# KiCad board SmartSpin2k_Panelized.kicad_pcb (continued)
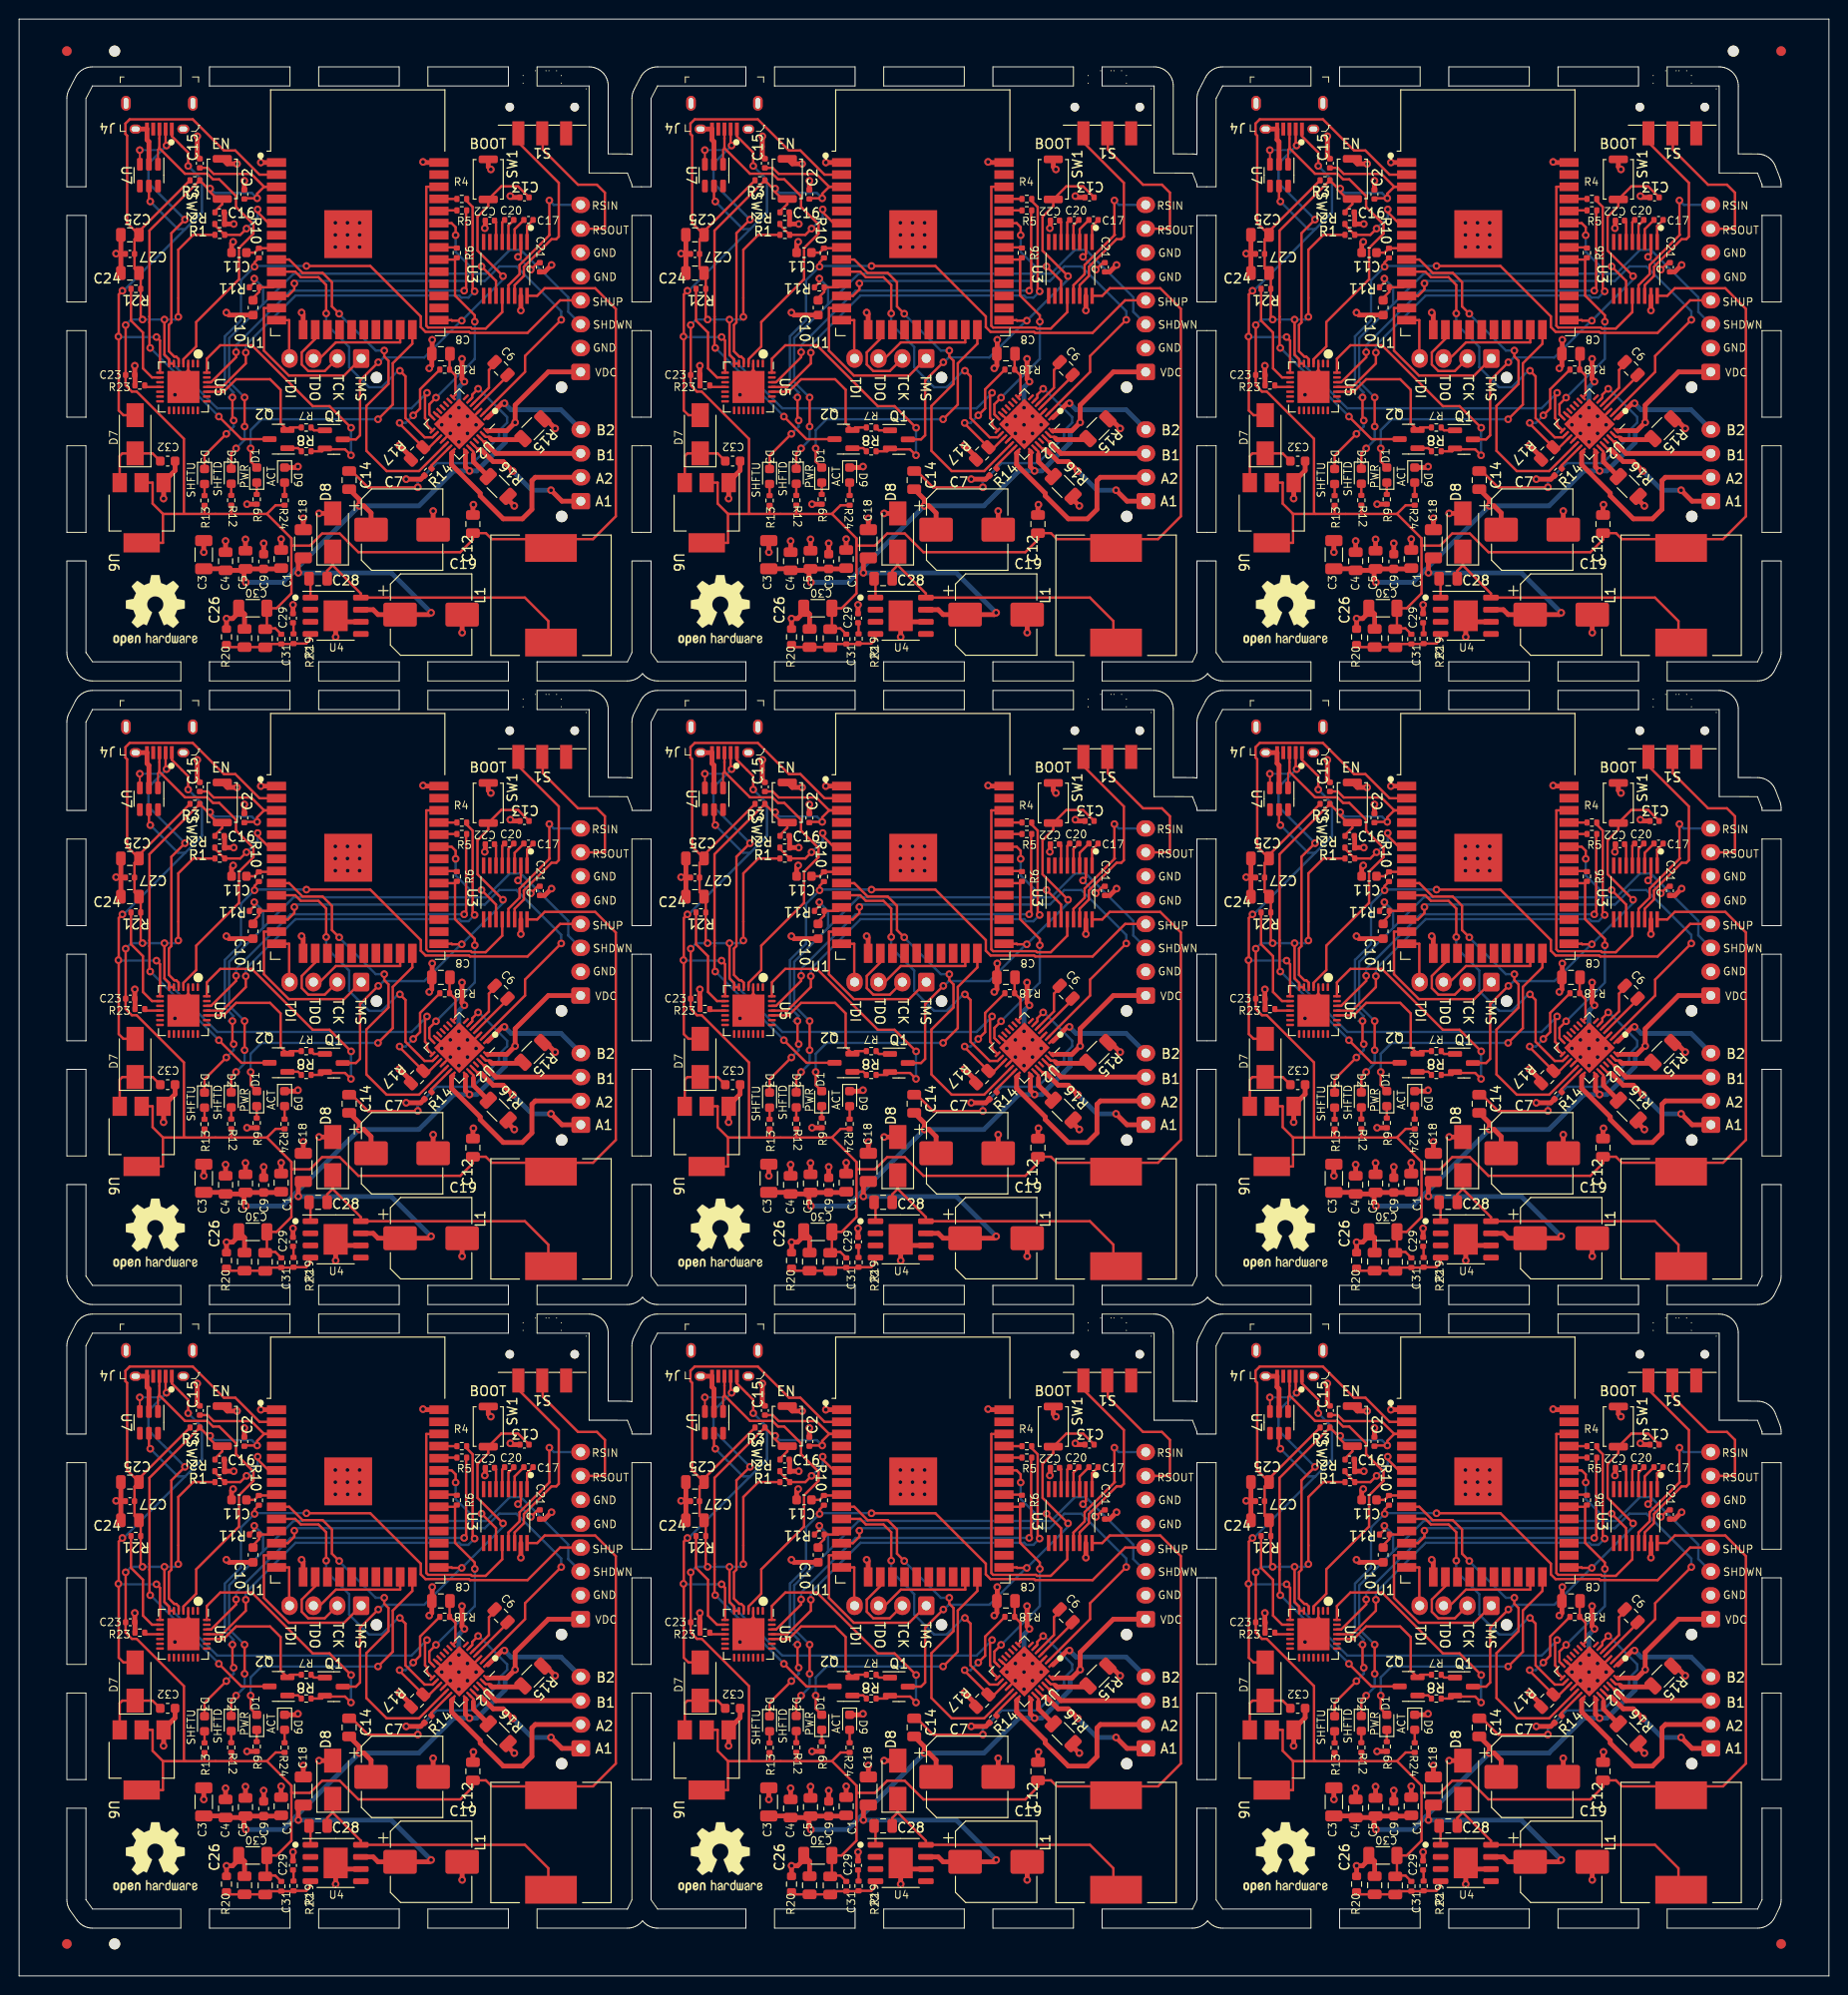
[diagram p0: board, top side]
## Routing (per net, layer and track width the routed paths; a pad name or vN(x,y) marks a point on that pad's centre or on a via; arc(x,y) is an arc through that point) (continued)
  Bottom w0.5: v1(109.96,164.68) 110.64,163.99 115.88,163.99 117.95,161.92
Board_1-/BRA: length 3.9
  Top w0.25: U2#8.23 106.7,159.6 106.7,159.32
  Top w0.5: 106.7,159.32 106.7,158.55 R16#8.2
Board_1-/BRB: length 4.5
  Top w0.25: U2#8.27 107.99,161.15 108.35,161.15 108.48,161.02
  Top w0.5: 108.48,161.02 108.64,160.86 111.78,160.86 R15.2
Board_1-/D+: length 35.2
  Top w0.2: 73.84,191.38 73.69,191.24 U7#3.1
  Top w0.25: J4#2.3 73.84,191.38 76.51,188.71 78.86,188.71 79.44,188.13 80.1,188.13 81.86,186.37 81.86,185.23 83.68,183.41 83.68,182.44 82.17,180.93 82.17,177.65 77.69,173.18 77.69,170.62 76.35,169.28 U5#7.4
Board_1-/D-: length 32.7
  Top w0.2: U7#3.3 71.79,191.17 v1(71.78,191.18)
  Top w0.25: v1(76.51,183.91) 75.09,182.48 75.09,173.14 74.83,172.88 74.83,170.12 75.39,169.55 75.6,169.55 75.85,169.3 U5#7.5 ; v1(74.58,191.66) 74.49,191.76 J4#2.2
  Bottom w0.2: v1(71.78,191.18) 74.1,191.18 v1(74.58,191.66)
  Bottom w0.25: v1(76.51,183.91) 72.69,187.73 72.69,189.77 v1(74.58,191.66)
Board_1-/DriverDIR: length 38.8
  Top w0.25: U2#8.19 101.02,157.57 97.62,157.57 95.5,159.7 95.5,164.4 97.81,166.71 97.81,169.12 97.37,169.56 v1(97.37,170.19) ; v1(92.66,174.05) 91.9,174.81 91.9,177.35 90.92,178.32 88.82,178.32 87.42,179.72 U1#8.9
  Bottom w0.25: v1(97.37,170.19) 96.48,170.19 92.66,174.02 v1(92.66,174.05)
Board_1-/DriverEN: length 47.6
  Top w0.25: U1#8.12 87.28,175.91 87.96,176.59 v1(87.96,177.22) ; v1(115.9,173.41) 112.11,169.63 112.11,167.96 U2#8.2
  Bottom w0.25: v1(87.96,177.22) 88.21,177.48 107.9,177.48 109.42,179 111.2,179 115.9,174.3 v1(115.9,173.41)
Board_1-/DriverSTEP: length 31.7
  Top w0.25: U1#8.10 88.06,178.45 88.64,177.87 90.48,177.87 91.29,177.06 v1(91.29,174.08) ; U2#8.16 102.43,161.1 101.61,161.1 99.6,163.11 99.6,167.49 v1(99.01,168.08)
  Bottom w0.25: v1(91.29,174.08) 91.29,172.97 93.7,170.57 93.7,168.43 95.78,166.35 97.1,166.35 98.83,168.08 v1(99.01,168.08)
Board_1-/DTR: length 28.2
  Top w0.25: v1(93.9,162.11) 91.64,164.37 89.89,164.37 83.51,170.75 80.21,170.75 78.8,169.34 U5#7.28 ; v1(93.89,159.23) 93.27,159.85 91.25,159.85 Q1#7.2 90.87,159.65 R8#4.1
  Bottom w0.25: v1(93.9,162.11) 93.89,162.1 v1(93.89,159.23)
Board_1-/EN: length 59.6
  Top w0.25: v1(80.06,163.28) 82.42,160.92 85.3,160.92 ; v1(72.87,170.47) 72.8,170.54 72.8,173.14 72.8,173.14 72.8,173.74 72.8,173.74 72.8,182.76 R3#5.2 78.93,187.15 v1(79.15,187.15) 79.15,186.8 79.88,186.07 SW2#5.2 80.42,185.53 79.66,184.77 C16#3.1 ; C2#3.1 82.73,186.06 82.81,186.14 v1(84.07,186.14) 84.07,186.62 84.8,187.34 U1#8.3 84.8,187.34 83.45,188.69 79.51,188.69 78.89,189.32 C15#7.1
  Bottom w0.25: v1(72.87,170.47) 72.9,170.47 80.06,163.3 v1(80.06,163.28) ; v1(84.07,186.14) 83.51,186.7 79.6,186.7 v1(79.15,187.15)
Board_1-/IO0_BOOT: length 44.7
  Top w0.25: v1(96.75,168.97) 94.84,167.06 94.84,161.32 94.41,160.89 Q1#7.3 ; C13#6.1 112.53,186.24 111.38,187.38 109.62,187.38 SW1#3.1 108.26,185.33 107.14,184.21 107.14,180.65 v1(109.8,177.99) ; v1(105.48,173.32) 104.47,173.32 104.42,173.37 U1#8.25
  Bottom w0.25: v1(109.8,177.99) 109.8,177.64 v1(105.48,173.32) 105.42,173.32 101.57,169.47 97.31,169.47 96.81,168.97 v1(96.75,168.97)
Board_1-/R1OUT: length 26.4
  Top w0.25: U3#6.12 109.72,174.22 107.99,172.49 106.55,172.49 106.44,172.6 101.96,172.6 101.77,172.79 101.77,187.34 U1#8.36
Board_1-/REG_5V: length 7.5
  Top w0.25: U6#2.3 69.68,159.15 69.96,159.42 D7#8.1 73.12,159.42 C32#2.2
Board_1-/RS232IN1: length 15.3
  Top w0.25: U3#6.13 110.37,177.03 111.54,178.2 111.54,179.15 114.7,182.31 114.65,182.35 v1(114.65,185.91)
  Bottom w0.25: J3.8 115.11,185.45 v1(114.65,185.91)
Board_1-/RS232OUT1: length 16.4
  Top w0.25: 113.83,192.82 113.97,192.68 113.97,191.25 117.65,187.56 119.63,187.56 120.47,186.72 120.47,182.91 120.43,182.95 J3.7
Board_1-/RTS: length 14.8
  Top w0.25: R7#2.2 87.51,162.14 Q2#6.2 86.52,162.58 86.52,166.08 85.42,167.19 81.86,167.19 80.55,165.88 U5#7.24
Board_1-/RXD0: length 40.2
  Top w0.25: R5#4.2 105.94,184.81 105.94,176.67 v1(105.74,176.46) ; v1(81.86,170.02) 81.86,169.49 79.25,166.88 U5#7.26
  Bottom w0.25: v1(81.86,170.02) 81.86,170.75 87.58,176.46 v1(105.74,176.46)
Board_1-/ShiftDown: length 63.9
  Top w0.25: v1(81.86,159.95) 81.36,159.44 D2#9.1 ; R11#2.2 83.77,177.33 v1(83.77,177.73) ; v1(82.75,165.28) v1(82.75,162.24)
  Bottom w0.25: 84.68,175.04 81.14,171.49 81.14,166.9 v1(82.75,165.28) ; 84.68,175.04 87.88,178.24 108.02,178.24 110.52,180.73 111.67,180.73 116.63,175.77 116.63,174.25 J3.3 ; 84.68,175.04 84.68,176.82 v1(83.77,177.73) ; v1(81.86,159.95) 82.75,160.84 v1(82.75,162.24)
Board_1-/ShiftUp: length 65
  Top w0.25: v1(80.84,161.47) 78.56,159.19 D3#9.1 ; v1(89.23,179.05) 89.23,179.05 95.91,179.05 101.2,173.76 101.2,172.65 101.7,172.15 106.26,172.15 106.36,172.04 112.37,172.04 115.78,175.45 J3.4 ; R10#8.2 83.79,179.43 v1(83.79,178.98) ; v1(81.48,165.28) 81.48,163 v1(81.61,162.87)
  Bottom w0.25: v1(81.61,162.87) 81.61,162.24 v1(80.84,161.47) ; v1(89.23,179.05) 89.22,179.05 83.87,179.05 v1(83.79,178.98) 82.37,177.55 82.37,173.36 80.69,171.68 80.69,166.71 81.6,165.8 81.09,165.28 v1(81.48,165.28)
Board_1-/T1IN: length 11.6
  Top w0.25: U1#8.33 104.42,183.53 104.85,183.11 v1(104.85,182.27) ; U3#6.11 109.07,177.48 v1(107.56,179)
  Bottom w0.25: v1(107.56,179) 106.37,179 104.85,180.53 v1(104.85,182.27)
Board_1-/TMCUART1: length 21.5
  Top w0.25: v1(102.79,165.26) 102.09,164.57 102.09,163.51 U2#8.14 ; 104.78,179.72 R6.1 ; 104.78,179.72 U1#8.30 ; 104.78,179.72 104.78,175.95 106.85,173.88 v1(106.85,173.22)
  Bottom w0.25: v1(106.85,173.22) 106.85,169.32 v1(102.79,165.26)
Board_1-/TMCUART2: length 1.9
  Top w0.25: U1#8.31 104.91,180.99 R6.2
Board_1-/TXD0: length 43.5
  Top w0.25: v1(106.83,176.39) 106.63,176.6 106.63,185.22 106,185.85 R4#2.2 ; v1(82.88,169.98) 82.88,168.84 80.42,166.38 U5#7.25
  Bottom w0.25: v1(106.83,176.39) 106.18,175.74 105.44,175.74 105.22,175.95 88.09,175.95 82.88,170.75 v1(82.88,169.98)
Board_1-/VDC: length 92.1
  Top w0.25: U2#8.28 108.17,161.81 108.18,161.81 ; 105.87,159.62 105.87,159.64 U2#8.22
  Top w0.5: C7#7.1 95.99,153.19 95.25,153.93 v1(94.76,153.93) 94.76,154.61 C14#9.1 ; 82.69,147.18 C5.1 82.85,147.33 C9#6.1 86.5,147.33 C1.1 ; 82.69,147.18 82.69,146.11 v1(82.88,145.92) ; 82.69,147.18 C4#5.1 80.6,147.34 78.48,147.34 ; U4.7 96.22,143.06 96.73,142.55 C19#9.1 102.08,142.55 v1(102.28,142.74) ; 88.9,148.49 88.38,147.96 v1(88.38,146.92) ; J3.1 114.55,167.95 111.07,164.48 v1(111.07,162.67) 110.21,161.81 108.18,161.81 ; v1(106.3,157.59) 105.87,158.02 105.87,159.62
  Bottom w0.5: v1(82.88,145.92) 86.75,145.92 88.06,147.23 ; 88.06,147.23 v1(94.76,153.93) 101,153.93 104.65,157.59 v1(106.3,157.59) 107.06,157.59 110.03,160.56 110.03,161.63 v1(111.07,162.67) ; 88.06,147.23 88.37,146.92 v1(88.38,146.92) 88.39,146.91 98.11,146.91 v1(102.28,142.74)
Board_1-GND: length 91.3
  Top w0.25: 103.39,162.98 102.85,163.53 U2#8.13 ; 76.85,167.98 U5#7.3 ; 104.08,161.34 U2#8.18 ; 106.73,163.29 U2#8.3
  Top w0.5: C13#6.2 110.7,186.23 v1(110.56,186.37) ; v1(86.58,150.45) C1.2 ; v1(102.49,153.39) C7#7.2 ; U7#3.2 72.74,192.06 72.54,192.27 J4#2.5 J4#2.SH ; v1(115.26,162.03) 114.26,163.04 R15.1 ; v1(88.34,158.05) 88.24,157.94 D9#4.1 ; v1(101.43,189.95) 101.58,189.95 101.65,189.88 U1#8.38 ; R16#8.1 110.33,154.59 v1(110.99,153.93) ; v1(74.27,154.69) 74.28,154.7 U6#2.1 74.28,156.43 75.47,157.63 C32#2.1 ; 76.85,167.98 76.85,166.95 v1(75.46,165.56) 75.54,165.56 U5#7.29 ; v1(114.88,179.15) 114.16,178.43 C21#7.2 ; v1(106.7,154.06) 106.65,154.01 C12#4.2 ; SW2#5.1 80.94,189.75 v1(81.96,189.75) ; C10.2 81.11,173.91 v1(80.85,174.18) ; C11#2.2 81.39,181.42 v1(81.56,181.58) ; R23#5.1 71.28,167.61 C23#9.2 v1(71.26,168.6) ; C3#4.2 78.48,149.08 v1(78.48,149.08) ; R17#4.2 100.17,159.05 v1(98.96,160.26) ; v1(102.39,171.32) 102.39,169.9 C8#8.2 102.35,168.6 v1(102.08,168.33) ; 69.8,180.31 69.8,180.35 ; 69.8,180.31 C24#8.1 ; 69.8,180.31 C27#7.2 ; 69.8,180.35 C25#4.2 ; 69.8,180.35 v1(69.3,180.35) ; U4.9 92.29,141.79 ; 92.29,141.79 v1(92.29,140.21) ; 92.29,141.79 U4.6 ; v1(84.75,150.01) 84.75,148.88 ; v1(80.76,150.25) C4#5.2 ; D8#3.2 90.55,153.14 v1(90.55,153.14) ; R20#6.2 v1(80.86,142.13) 81.49,142.13 82.14,142.77 C30#5.2 82.75,142.59 C26#9.2 ; 106.73,163.29 106.11,163.29 v1(106.09,163.31) ; v1(81.62,183.45) R2#6.1 80.66,184.62 C16#3.2 ; v1(84.45,189.88) U1#8.1 ; v1(111.67,174.39) U3#6.15 ; C18.2 v1(88.9,152.62) ; R9.1 83.01,154.11 v1(83.01,154.11) ; SW1#3.2 108.26,189.43 v1(108.53,189.16) ; v1(105.53,140.65) C19#9.2 ; C22#3.2 107.95,183.05 v1(107.9,183) ; v1(103.39,162.42) 103.39,162.98 ; v1(105.19,162.42) 105.23,162.46 U2#8.29 ; v1(99.67,156.73) 101.19,156.73 R14#7.1 ; C15#7.2 77.8,190.55 v1(77.8,192.63) ; C29#2.2 v1(87.82,143.57) ; U1#8.15 88.88,174.01 v1(88.72,174.18) ; v1(93.52,182.3) 93.6,182.38 U1#8.39 ; v1(105.76,166.94) 105.51,167.19 v1(105.51,169.32) ; v1(82.85,150.42) C5.2 ; 104.08,161.34 104.26,161.52 v1(104.29,161.52) ; v1(82.73,187.97) C2#3.2
  Bottom w0.5: v1(105.19,164.21) 105.19,166.36 v1(105.76,166.94)
  vias: v1(92.25,183.57) v1(92.25,182.3) v1(92.25,181.03) v1(93.52,183.57) v1(93.55,181.03) v1(94.79,183.57) v1(94.79,182.3) v1(94.79,181.03) v1(104.29,163.31) v1(105.19,160.62) v1(106.09,161.52) v1(106.98,162.42)
Board_1-Net-(C6-Pad1): length 5.4
  Top w0.25: C6#6.1 108.93,168.75 108.33,168.16 108.33,166.3 106.62,164.59 U2#8.5
Board_1-Net-(C6-Pad2): length 4.8
  Top w0.25: C6#6.2 110.27,167.53 U2#8.4
Board_1-Net-(C10-Pad1): length 3.6
  Top w0.25: C10.1 83.64,175.7 84.28,176.34 R11#2.1 85.73,176.82 U1#8.11
Board_1-Net-(C11-Pad1): length 3.4
  Top w0.25: C11#2.1 83.79,180.45 R10#8.1 86.01,180.91 U1#8.8
Board_1-Net-(C14-Pad2): length 27.3
  Top w0.25: v1(100.89,155.88) 100.87,155.86 95.68,155.86 93.97,157.57 C14#9.2 ; U2#8.6 106.59,165.26 106.59,165.58 v1(107.2,166.19)
  Bottom w0.25: v1(100.89,155.88) 100.87,155.89 100.87,156.42 102.85,158.4 106.63,158.4 109.38,161.15 109.38,161.79 110.23,162.64 110.23,163.23 107.27,166.19 v1(107.2,166.19)
Board_1-Net-(C17-Pad1): length 2.7
  Top w0.25: C17#4.1 111.02,182.9 U3#6.3
Board_1-Net-(C17-Pad2): length 2.6
  Top w0.25: C17#4.2 112.95,183.86 112.32,183.23 U3#6.1
Board_1-Net-(C20-Pad1): length 2.4
  Top w0.25: U3#6.5 109.72,183.62 C20#8.1
Board_1-Net-(C20-Pad2): length 2.5
  Top w0.25: U3#6.4 110.37,183.3 110.93,183.86 C20#8.2
Board_1-Net-(C21-Pad1): length 4.8
  Top w0.25: C21#7.1 113.44,179.39 v1(112.71,178.66) ; v1(111.37,180.01) 111.67,180.31 U3#6.2
  Bottom w0.25: v1(112.71,178.66) v1(111.37,180.01)
Board_1-Net-(C22-Pad1): length 2.3
  Top w0.25: C22#3.1 109.07,183.64 U3#6.6
Board_1-Net-(C26-Pad1): length 9.8
  Top w0.25: U4.4 89.65,139.95 89.21,139.51 R19#5.1 87.83,139.47 R22#5.1 85.26,139.47 C31#3.1 84.89,139.14 C26#9.1 81.11,139.14 R20#6.1
Board_1-Net-(C28-Pad1): length 2
  Top w0.25: C28#2.1 89.65,146.16 U4.1
Board_1-Net-(C28-Pad2): length 31.4
  Top w0.25: 91.98,148.35 91.98,147.7 94.92,144.76 U4.8 112.09,144.33 114.55,141.87 114.55,139.45 ; 91.98,148.35 D8#3.1 ; 91.98,148.35 91.98,147.72 91.4,147.14 C28#2.2
Board_1-Net-(C29-Pad1): length 1.2
  Top w0.25: R19#5.2 87.88,141.63 C29#2.1
Board_1-Net-(D1-Pad1): length 1.2
  Top w0.25: D1#2.1 R9.2
Board_1-Net-(D1-Pad2): length 28.8
  Top w0.25: v1(96.72,163) 98.26,164.54 98.26,168.86 100.31,170.91 U1#8.24 ; v1(83.39,159.95) 83.39,158.58 D1#2.2
  Bottom w0.25: v1(83.39,159.95) 83.39,161.86 84.53,163 v1(96.72,163)
Board_1-Net-(D2-Pad2): length 1.2
  Top w0.25: R12#2.1 D2#9.2
Board_1-Net-(D3-Pad2): length 1.2
  Top w0.25: D3#9.2 R13#8.2
Board_1-Net-(D9-Pad2): length 1.4
  Top w0.25: R24.1 D9#4.2
Board_1-Net-(J2-Pad1): length 17.8
  Top w0.25: J2#2.1 93.17,167.58 87.38,167.58 84.77,170.19 84.77,174.64 U1#8.13
Board_1-Net-(J2-Pad2): length 8.8
  Top w0.25: J2#2.2 91.14,168.05 89.42,168.05 88.73,168.73 88.73,170 90.15,171.42 U1#8.16
Board_1-Net-(J2-Pad3): length 11.1
  Top w0.25: U1#8.23 99.04,171.05 92.3,171.05 90.62,169.37 J2#2.3
Board_1-Net-(J2-Pad4): length 5.4
  Top w0.25: U1#8.14 87.42,173.37 87.42,169.37 J2#2.4
Board_1-Net-(Q1-Pad1): length 1.6
  Top w0.25: Q1#7.1 90.01,161.84 R7#2.1
Board_1-Net-(Q2-Pad1): length 1.6
  Top w0.25: Q2#6.1 87.25,159.98 88.36,159.98 R8#4.2
Board_1-Net-(R1-Pad2): length 9.4
  Top w0.25: R2#6.2 79.64,183.34 R1#4.2 82.3,182.31 v1(82.96,182.96) ; U1#8.6 85.27,183.53 84.12,184.68 v1(84.12,184.97)
  Bottom w0.25: v1(82.96,182.96) 84.12,184.13 v1(84.12,184.97)
Board_1-Net-(R4-Pad1): length 1.9
  Top w0.25: R4#2.1 103.1,186.07 U1#8.35
Board_1-Net-(R5-Pad1): length 1.9
  Top w0.25: U1#8.34 103.16,184.87 R5#4.1
Board_1-Net-(R14-Pad2): length 3
  Top w0.25: U2#8.20 102.31,158.16 R14#7.2
Board_1-Net-(R17-Pad1): length 13.4
  Top w0.25: v1(100.41,163.41) 101.13,164.13 101.13,166.14 R18.2 ; v1(98.98,162.62) 98.98,162.54 R17#4.1 102.1,160.06 U2#8.17
  Bottom w0.25: v1(98.98,162.62) 99.61,162.62 v1(100.41,163.41)
Board_1-Net-(R21-Pad2): length 11
  Top w0.25: U5#7.9 73.06,167.38 72.11,168.33 72.11,172.08 70.86,173.33 R21#2.2
Board_1-Net-(R23-Pad2): length 1.7
  Top w0.25: U5#7.11 72.46,166.38 R23#5.2
Board_1-Net-(S1-Pad3): length 20.9
  Top w0.25: U3#6.14 111.02,177.05 111.99,178.01 111.99,178.96 114.88,181.86 115.38,181.86 115.65,182.13 115.65,187.75 111.33,192.07 111.33,192.82
Board_2-/A1: length 13.8
  Top w0.25: 166.41,159.8 166.37,159.8 U2.24
  Top w0.5: J1#6.1 175.13,154.42 v1(173.98,155.57) ; 166.41,159.8 166.69,159.8 167.92,158.57 168.98,158.57 v1(169.98,157.57)
  Bottom w0.5: v1(169.98,157.57) 171.98,155.57 v1(173.98,155.57)
Board_2-/A2: length 21.1
  Top w0.25: 163.7,159.57 U2.21
  Top w0.5: 163.7,159.57 163.57,159.44 163.57,158.25 166.57,155.25 166.57,154.98 168.98,152.57 170.98,152.57 171.98,153.57 171.98,156.57 172.33,156.92 177.1,156.92
Board_2-/B1: length 11.3
  Top w0.25: 167.05,160.61 166.97,160.61 U2.26
  Top w0.5: 177.1,159.42 168.21,159.42 167.07,160.56
Board_2-/B2: length 11.7
  Top w0.25: 167.36,163.17 U2.1
  Top w0.5: v1(169.11,164.68) 168.86,164.68 167.36,163.17
  Bottom w0.5: v1(169.11,164.68) 169.79,163.99 175.03,163.99 177.1,161.92
Board_2-/BRA: length 3.9
  Top w0.25: U2.23 165.85,159.6 165.85,159.32
  Top w0.5: 165.85,159.32 165.85,158.55 R16#5.2
Board_2-/BRB: length 4.5
  Top w0.25: U2.27 167.14,161.15 167.5,161.15 167.63,161.02
  Top w0.5: 167.63,161.02 167.79,160.86 170.93,160.86 R15#9.2
Board_2-/D+: length 35.2
  Top w0.2: 132.99,191.38 132.84,191.24 U7#9.1
  Top w0.25: J4#4.3 132.99,191.38 135.66,188.71 138.01,188.71 138.59,188.13 139.25,188.13 141.01,186.37 141.01,185.23 142.83,183.41 142.83,182.44 141.32,180.93 141.32,177.65 136.84,173.18 136.84,170.62 135.5,169.28 U5#6.4
Board_2-/D-: length 32.7
  Top w0.2: U7#9.3 130.94,191.17 v1(130.93,191.18)
  Top w0.25: v1(135.66,183.91) 134.24,182.48 134.24,173.14 133.98,172.88 133.98,170.12 134.54,169.55 134.75,169.55 135,169.3 U5#6.5 ; v1(133.73,191.66) 133.64,191.76 J4#4.2
  Bottom w0.2: v1(130.93,191.18) 133.25,191.18 v1(133.73,191.66)
  Bottom w0.25: v1(135.66,183.91) 131.84,187.73 131.84,189.77 v1(133.73,191.66)
Board_2-/DriverDIR: length 38.8
  Top w0.25: U2.19 160.17,157.57 156.77,157.57 154.65,159.7 154.65,164.4 156.96,166.71 156.96,169.12 156.52,169.56 v1(156.52,170.19) ; v1(151.81,174.05) 151.05,174.81 151.05,177.35 150.07,178.32 147.97,178.32 146.57,179.72 U1.9
  Bottom w0.25: v1(156.52,170.19) 155.63,170.19 151.81,174.02 v1(151.81,174.05)
Board_2-/DriverEN: length 47.6
  Top w0.25: U1.12 146.44,175.91 147.11,176.59 v1(147.11,177.22) ; v1(175.05,173.41) 171.26,169.63 171.26,167.96 U2.2
  Bottom w0.25: v1(147.11,177.22) 147.36,177.48 167.05,177.48 168.57,179 170.35,179 175.05,174.3 v1(175.05,173.41)
Board_2-/DriverSTEP: length 31.7
  Top w0.25: U1.10 147.21,178.45 147.79,177.87 149.63,177.87 150.44,177.06 v1(150.44,174.08) ; U2.16 161.58,161.1 160.76,161.1 158.75,163.11 158.75,167.49 v1(158.16,168.08)
  Bottom w0.25: v1(150.44,174.08) 150.44,172.97 152.85,170.57 152.85,168.43 154.93,166.35 156.25,166.35 157.98,168.08 v1(158.16,168.08)
Board_2-/DTR: length 28.2
  Top w0.25: v1(153.05,162.11) 150.79,164.37 149.04,164.37 142.66,170.75 139.36,170.75 137.95,169.34 U5#6.28 ; v1(153.04,159.23) 152.42,159.85 150.4,159.85 Q1.2 150.02,159.65 R8#8.1
  Bottom w0.25: v1(153.05,162.11) 153.04,162.1 v1(153.04,159.23)
Board_2-/EN: length 59.6
  Top w0.25: v1(139.21,163.28) 141.57,160.92 144.45,160.92 ; v1(132.02,170.47) 131.95,170.54 131.95,173.14 131.95,173.14 131.95,173.74 131.95,173.74 131.95,182.76 R3#3.2 138.08,187.15 v1(138.3,187.15) 138.3,186.8 139.03,186.07 SW2#4.2 139.57,185.53 138.81,184.77 C16#5.1 ; C2#9.1 141.88,186.06 141.96,186.14 v1(143.22,186.14) 143.22,186.62 143.95,187.34 U1.3 143.95,187.34 142.6,188.69 138.66,188.69 138.04,189.32 C15#8.1
  Bottom w0.25: v1(132.02,170.47) 132.05,170.47 139.21,163.3 v1(139.21,163.28) ; v1(143.22,186.14) 142.66,186.7 138.75,186.7 v1(138.3,187.15)
Board_2-/IO0_BOOT: length 44.7
  Top w0.25: v1(155.9,168.97) 153.99,167.06 153.99,161.32 153.56,160.89 Q1.3 ; C13#3.1 171.68,186.24 170.53,187.38 168.77,187.38 SW1#4.1 167.41,185.33 166.29,184.21 166.29,180.65 v1(168.95,177.99) ; v1(164.63,173.32) 163.62,173.32 163.57,173.37 U1.25
  Bottom w0.25: v1(168.95,177.99) 168.95,177.64 v1(164.63,173.32) 164.57,173.32 160.72,169.47 156.46,169.47 155.96,168.97 v1(155.9,168.97)
Board_2-/R1OUT: length 26.4
  Top w0.25: U3#7.12 168.87,174.22 167.14,172.49 165.7,172.49 165.59,172.6 161.11,172.6 160.92,172.79 160.92,187.34 U1.36
Board_2-/REG_5V: length 7.5
  Top w0.25: U6#6.3 128.83,159.15 129.11,159.42 D7#6.1 132.27,159.42 C32#9.2
Board_2-/RS232IN1: length 15.3
  Top w0.25: U3#7.13 169.52,177.03 170.69,178.2 170.69,179.15 173.85,182.31 173.8,182.35 v1(173.8,185.91)
  Bottom w0.25: J3#8.8 174.26,185.45 v1(173.8,185.91)
Board_2-/RS232OUT1: length 16.4
  Top w0.25: 172.98,192.82 173.12,192.68 173.12,191.25 176.8,187.56 178.78,187.56 179.62,186.72 179.62,182.91 179.58,182.95 J3#8.7
Board_2-/RTS: length 14.8
  Top w0.25: R7#3.2 146.66,162.14 Q2#9.2 145.67,162.58 145.67,166.08 144.57,167.19 141.01,167.19 139.7,165.88 U5#6.24
Board_2-/RXD0: length 40.2
  Top w0.25: R5#9.2 165.09,184.81 165.09,176.67 v1(164.89,176.46) ; v1(141.01,170.02) 141.01,169.49 138.4,166.88 U5#6.26
  Bottom w0.25: v1(141.01,170.02) 141.01,170.75 146.73,176.46 v1(164.89,176.46)
Board_2-/ShiftDown: length 63.9
  Top w0.25: v1(141.01,159.95) 140.5,159.44 D2#6.1 ; R11#6.2 142.92,177.33 v1(142.92,177.73) ; v1(141.9,165.28) v1(141.9,162.24)
  Bottom w0.25: 143.83,175.04 140.29,171.49 140.29,166.9 v1(141.9,165.28) ; 143.83,175.04 147.03,178.24 167.17,178.24 169.67,180.73 170.82,180.73 175.78,175.77 175.78,174.25 J3#8.3 ; 143.83,175.04 143.83,176.82 v1(142.92,177.73) ; v1(141.01,159.95) 141.9,160.84 v1(141.9,162.24)
Board_2-/ShiftUp: length 65
  Top w0.25: v1(139.99,161.47) 137.71,159.19 D3.1 ; J3#8.4 174.93,175.45 171.52,172.04 165.51,172.04 165.41,172.15 160.85,172.15 160.35,172.65 160.35,173.76 155.06,179.05 v1(148.38,179.05) ; R10#7.2 142.94,179.43 v1(142.94,178.98) ; v1(140.63,165.28) 140.63,163 v1(140.76,162.87)
  Bottom w0.25: v1(140.76,162.87) 140.76,162.24 v1(139.99,161.47) ; v1(148.38,179.05) 148.37,179.05 143.02,179.05 v1(142.94,178.98) 141.52,177.55 141.52,173.36 139.84,171.68 139.84,166.71 140.75,165.8 140.24,165.28 v1(140.63,165.28)
Board_2-/T1IN: length 11.6
  Top w0.25: U1.33 163.57,183.53 164,183.11 v1(164,182.27) ; U3#7.11 168.22,177.48 v1(166.71,179)
  Bottom w0.25: v1(166.71,179) 165.52,179 164,180.53 v1(164,182.27)
Board_2-/TMCUART1: length 21.5
  Top w0.25: v1(161.94,165.26) 161.24,164.57 161.24,163.51 U2.14 ; 163.93,179.72 R6#9.1 ; 163.93,179.72 U1.30 ; 163.93,179.72 163.93,175.95 166,173.88 v1(166,173.22)
  Bottom w0.25: v1(166,173.22) 166,169.32 v1(161.94,165.26)
Board_2-/TMCUART2: length 1.9
  Top w0.25: U1.31 164.06,180.99 R6#9.2
Board_2-/TXD0: length 43.5
  Top w0.25: v1(165.98,176.39) 165.78,176.6 165.78,185.22 165.15,185.85 R4#6.2 ; v1(142.03,169.98) 142.03,168.84 139.57,166.38 U5#6.25
  Bottom w0.25: v1(165.98,176.39) 165.33,175.74 164.59,175.74 164.37,175.95 147.24,175.95 142.03,170.75 v1(142.03,169.98)
Board_2-/VDC: length 92.1
  Top w0.25: U2.28 167.32,161.81 167.33,161.81 ; 165.02,159.62 165.02,159.64 U2.22
  Top w0.5: C7#3.1 155.14,153.19 154.4,153.93 v1(153.91,153.93) 153.91,154.61 C14.1 ; 141.84,147.18 C5#6.1 142,147.33 C9#3.1 145.65,147.33 C1#2.1 ; 141.84,147.18 141.84,146.11 v1(142.03,145.92) ; 141.84,147.18 C4#6.1 139.75,147.34 137.63,147.34 ; U4#2.7 155.37,143.06 155.88,142.55 C19#8.1 161.23,142.55 v1(161.43,142.74) ; 148.05,148.49 147.53,147.96 v1(147.53,146.92) ; J3#8.1 173.7,167.95 170.22,164.48 v1(170.22,162.67) 169.36,161.81 167.33,161.81 ; v1(165.45,157.59) 165.02,158.02 165.02,159.62
  Bottom w0.5: v1(142.03,145.92) 145.9,145.92 147.21,147.23 ; 147.21,147.23 v1(153.91,153.93) 160.15,153.93 163.8,157.59 v1(165.45,157.59) 166.21,157.59 169.18,160.56 169.18,161.63 v1(170.22,162.67) ; 147.21,147.23 147.52,146.92 v1(147.53,146.92) 147.54,146.91 157.26,146.91 v1(161.43,142.74)
Board_2-GND: length 91.3
  Top w0.25: 162.54,162.98 162,163.53 U2.13 ; 136,167.98 U5#6.3 ; 163.23,161.34 U2.18 ; 165.88,163.29 U2.3
  Top w0.5: C13#3.2 169.85,186.23 v1(169.72,186.37) ; v1(145.73,150.45) C1#2.2 ; v1(161.64,153.39) C7#3.2 ; U7#9.2 131.89,192.06 131.69,192.27 J4#4.5 J4#4.SH ; v1(174.41,162.03) 173.41,163.04 R15#9.1 ; v1(147.49,158.05) 147.39,157.94 D9#3.1 ; v1(160.58,189.95) 160.73,189.95 160.8,189.88 U1.38 ; R16#5.1 169.48,154.59 v1(170.14,153.93) ; v1(133.42,154.69) 133.43,154.7 U6#6.1 133.43,156.43 134.62,157.63 C32#9.1 ; 136,167.98 136,166.95 v1(134.61,165.56) 134.69,165.56 U5#6.29 ; v1(174.03,179.15) 173.31,178.43 C21#6.2 ; v1(165.85,154.06) 165.8,154.01 C12#9.2 ; SW2#4.1 140.09,189.75 v1(141.11,189.75) ; C10#9.2 140.26,173.91 v1(140,174.18) ; C11#8.2 140.54,181.42 v1(140.71,181.58) ; R23#6.1 130.43,167.61 C23#6.2 v1(130.41,168.6) ; C3#9.2 137.63,149.08 v1(137.63,149.08) ; R17.2 159.32,159.05 v1(158.11,160.26) ; v1(161.54,171.32) 161.54,169.9 C8#9.2 161.5,168.6 v1(161.23,168.33) ; 128.95,180.31 128.95,180.35 ; 128.95,180.31 C24#4.1 ; 128.95,180.31 C27#6.2 ; 128.95,180.35 C25#8.2 ; 128.95,180.35 v1(128.45,180.35) ; U4#2.9 151.44,141.79 ; 151.44,141.79 v1(151.44,140.21) ; 151.44,141.79 U4#2.6 ; v1(143.9,150.01) 143.9,148.88 ; v1(139.91,150.25) C4#6.2 ; D8#7.2 149.7,153.14 v1(149.7,153.14) ; R20#5.2 v1(140.01,142.13) 140.64,142.13 141.28,142.77 C30#2.2 141.9,142.59 C26#4.2 ; 165.88,163.29 165.26,163.29 v1(165.24,163.31) ; v1(140.77,183.45) R2#3.1 139.81,184.62 C16#5.2 ; v1(143.6,189.88) U1.1 ; v1(170.82,174.39) U3#7.15 ; C18#6.2 v1(148.05,152.62) ; R9#4.1 142.16,154.11 v1(142.16,154.11) ; SW1#4.2 167.41,189.43 v1(167.68,189.16) ; v1(164.68,140.65) C19#8.2 ; C22#9.2 167.1,183.05 v1(167.05,183) ; v1(162.54,162.42) 162.54,162.98 ; v1(164.34,162.42) 164.38,162.46 U2.29 ; v1(158.82,156.73) 160.34,156.73 R14#9.1 ; C15#8.2 136.95,190.55 v1(136.95,192.63) ; C29.2 v1(146.97,143.57) ; U1.15 148.03,174.01 v1(147.87,174.18) ; v1(152.67,182.3) 152.75,182.38 U1.39 ; v1(164.91,166.94) 164.66,167.19 v1(164.66,169.32) ; v1(142,150.42) C5#6.2 ; 163.23,161.34 163.41,161.52 v1(163.44,161.52) ; v1(141.88,187.97) C2#9.2
  Bottom w0.5: v1(164.34,164.21) 164.34,166.36 v1(164.91,166.94)
  vias: v1(151.4,183.57) v1(151.4,182.3) v1(151.4,181.03) v1(152.67,183.57) v1(152.7,181.03) v1(153.94,183.57) v1(153.94,182.3) v1(153.94,181.03) v1(163.44,163.31) v1(164.34,160.62) v1(165.24,161.52) v1(166.13,162.42)
Board_2-Net-(C6-Pad1): length 5.4
  Top w0.25: C6#2.1 168.08,168.75 167.48,168.16 167.48,166.3 165.77,164.59 U2.5
Board_2-Net-(C6-Pad2): length 4.8
  Top w0.25: C6#2.2 169.42,167.53 U2.4
Board_2-Net-(C10-Pad1): length 3.6
  Top w0.25: C10#9.1 142.79,175.7 143.43,176.34 R11#6.1 144.88,176.82 U1.11
Board_2-Net-(C11-Pad1): length 3.4
  Top w0.25: C11#8.1 142.94,180.45 R10#7.1 145.16,180.91 U1.8
Board_2-Net-(C14-Pad2): length 27.3
  Top w0.25: v1(160.04,155.88) 160.02,155.86 154.83,155.86 153.12,157.57 C14.2 ; U2.6 165.74,165.26 165.74,165.58 v1(166.35,166.19)
  Bottom w0.25: v1(160.04,155.88) 160.02,155.89 160.02,156.42 162,158.4 165.78,158.4 168.53,161.15 168.53,161.79 169.38,162.64 169.38,163.23 166.42,166.19 v1(166.35,166.19)
Board_2-Net-(C17-Pad1): length 2.7
  Top w0.25: C17#3.1 170.17,182.9 U3#7.3
Board_2-Net-(C17-Pad2): length 2.6
  Top w0.25: C17#3.2 172.1,183.86 171.47,183.23 U3#7.1
Board_2-Net-(C20-Pad1): length 2.4
  Top w0.25: U3#7.5 168.87,183.62 C20#2.1
Board_2-Net-(C20-Pad2): length 2.5
  Top w0.25: U3#7.4 169.52,183.3 170.08,183.86 C20#2.2
Board_2-Net-(C21-Pad1): length 4.8
  Top w0.25: C21#6.1 172.59,179.39 v1(171.86,178.66) ; v1(170.52,180.01) 170.82,180.31 U3#7.2
  Bottom w0.25: v1(171.86,178.66) v1(170.52,180.01)
Board_2-Net-(C22-Pad1): length 2.3
  Top w0.25: C22#9.1 168.22,183.64 U3#7.6
Board_2-Net-(C26-Pad1): length 9.8
  Top w0.25: U4#2.4 148.8,139.95 148.36,139.51 R19#3.1 146.98,139.47 R22#2.1 144.41,139.47 C31#5.1 144.04,139.14 C26#4.1 140.25,139.14 R20#5.1
Board_2-Net-(C28-Pad1): length 2
  Top w0.25: C28#5.1 148.8,146.16 U4#2.1
Board_2-Net-(C28-Pad2): length 31.4
  Top w0.25: 151.13,148.35 151.13,147.7 154.07,144.76 U4#2.8 171.24,144.33 173.7,141.87 173.7,139.45 ; 151.13,148.35 D8#7.1 ; 151.13,148.35 151.13,147.72 150.55,147.14 C28#5.2
